# Altium PCB as_x31.PcbDoc (part 5 of 8)
Units mm, origin at the board's own origin, x right, y up, seen from the top; angles counter-clockwise.
Board outline 130 x 100 mm, 6 copper layers (Top Layer, Ground_1, int_1, int_2, Power, Bottom Layer), stack 1.49 mm thick; 424 components, 381 nets, 2569 pads, 1355 vias.
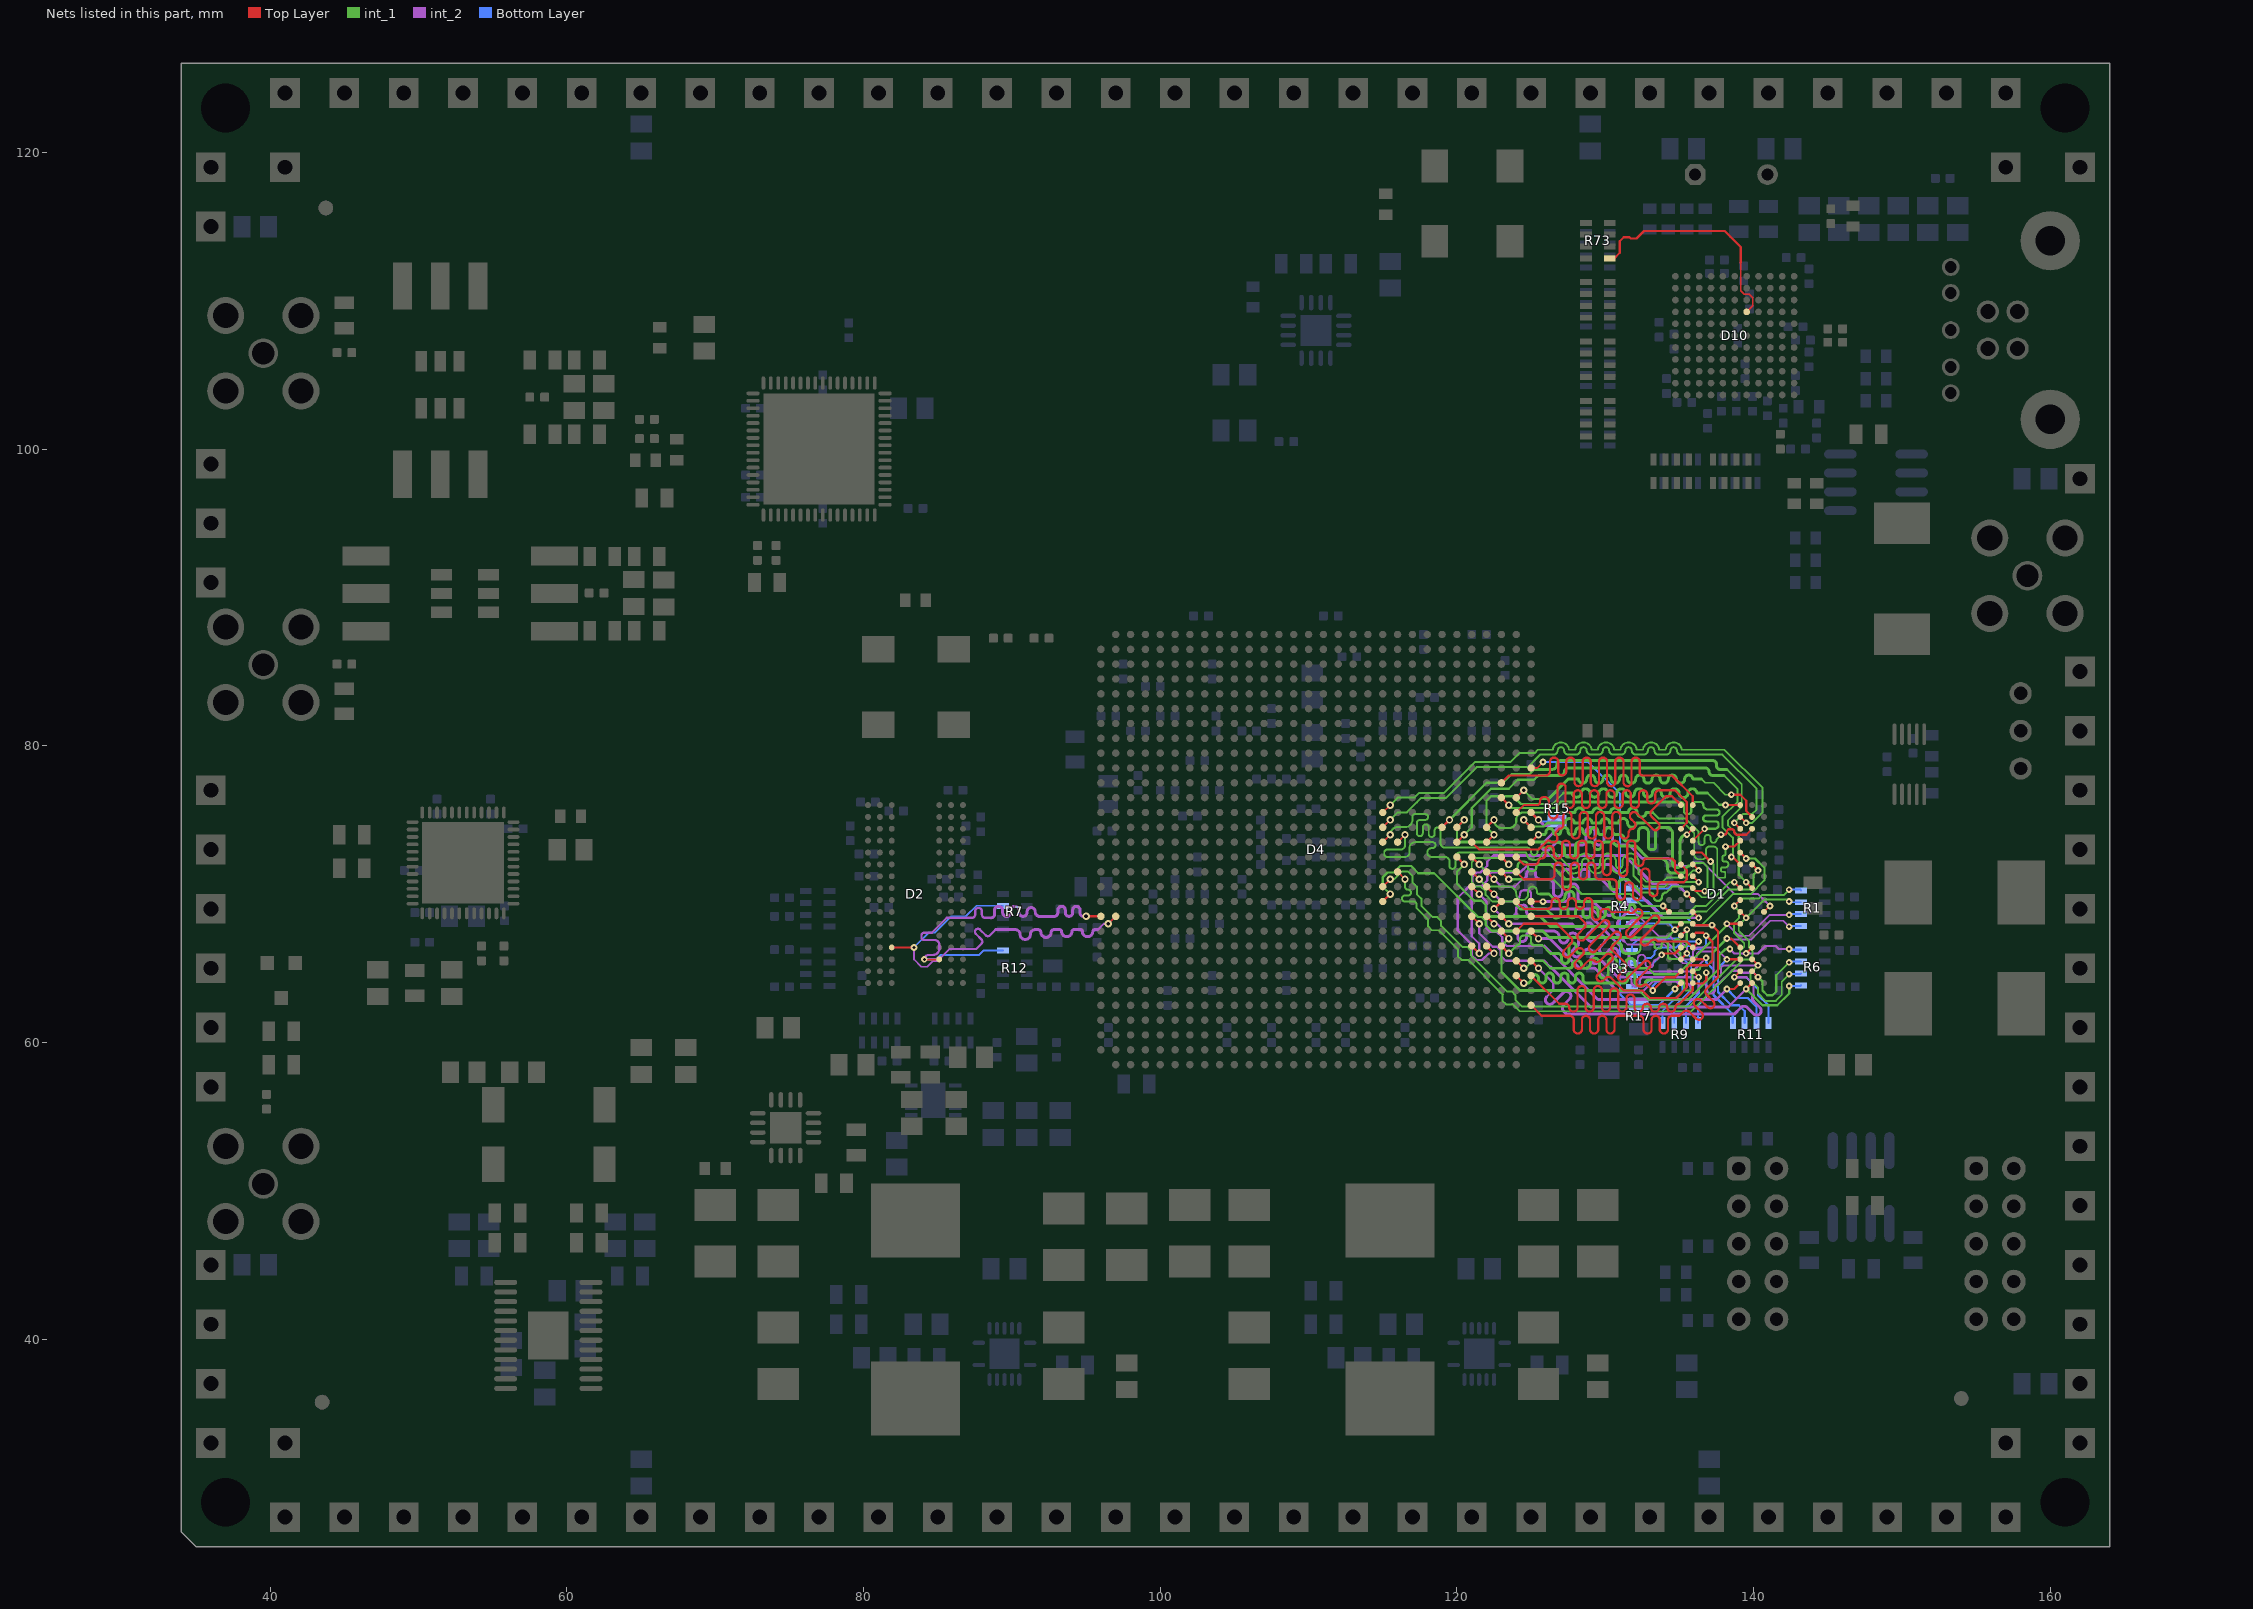
[diagram p9: the nets of this part, all layers, seen from the top]

## Via types
v1: diameter 0.5, hole 0.25, Top Layer to Bottom Layer, 538 vias
v2: diameter 0.45, hole 0.2, Top Layer to Bottom Layer, tented both sides, 353 vias
v3: diameter 0.65, hole 0.3, Top Layer to Bottom Layer, 223 vias
v4: diameter 0.5, hole 0.2, Top Layer to Bottom Layer, tented both sides, 96 vias
v5: diameter 0.4, hole 0.2, Top Layer to Bottom Layer, tented both sides, 83 vias
v6: diameter 0.75, hole 0.4, Top Layer to Bottom Layer, 46 vias
v7: diameter 0.6, hole 0.3, Top Layer to Bottom Layer, 12 vias
v8: diameter 0.5, hole 0.2, Top Layer to Bottom Layer, 4 vias

## Nets (pads, with @x,y where several pads share a name; then routed paths per layer and width w, separated by ;. In a path a pad name is that pad's centre, name@x,y a point inside that pad or via, vN(x,y) a via of type N, cw(c..) or ccw(c..) an arc to the next point about the centre after c; other vN are vias at no path point) (continued)
D31: D10.E4 R73.5 | length 15.6
  Top Layer w0.1: 139.129,112.546 139.129,110.682 139.366,110.445 139.694,110.445 139.929,110.21 139.929,109.646 D10.E4@139.529,109.246
  Top Layer w0.15: R73.5@130.3,112.85 130.6,112.85 130.975,113.225 130.975,114.011 131.239,114.275 131.638,114.275 131.713,114.2 132.111,114.2 132.611,114.7 138.05,114.7 139.129,113.621 139.129,112.546
DDR0_A0: D1.N3 D4.AJ12 R3.6 | length 29.9
  Top Layer w0.125: D4.AJ12@124,69.5 124.5,69 126.1,69
  Top Layer w0.15: 126.1,69 ccw(c126.1,69.275) 126.375,69.275 126.375,69.45 cw(c126.65,69.45) 126.65,69.725 cw(c126.65,69.45) 126.925,69.45 126.925,69.275 ccw(c127.2,69.275) 127.2,69 ccw(c127.2,69.275) 127.475,69.275 127.475,69.45 cw(c127.75,69.45) 127.75,69.725 cw(c127.75,69.45) 128.025,69.45 128.025,69.275 ccw(c128.3,69.275) 128.3,69 ccw(c128.3,69.275) 128.575,69.275 128.575,69.452 cw(c128.85,69.452) 128.85,69.727 cw(c128.85,69.452) 129.125,69.452 129.125,68.533 ccw(c129.4,68.533) 129.4,68.258 ccw(c129.4,68.533) 129.675,68.533 129.675,68.725 cw(c129.95,68.725) 129.95,69 130.2,69 130.4,68.8 131.55,68.8 ccw(c131.745,68.994) 131.939,68.8 132.034,68.896 ; 131.868,67.173 cw(c131.674,67.368) 131.479,67.174 cw(c131.674,67.368) 131.479,67.563 132.133,68.217 132.423,68.507 ; 131.868,67.174 133.176,68.482 cw(c133.371,68.287) 133.565,68.482 cw(c133.371,68.287) 133.566,68.093 ; 132.035,68.896 cw(c132.229,68.701) 132.423,68.896 cw(c132.229,68.701) 132.424,68.507 ; 132.867,66.616 cw(c132.672,66.811) 132.478,66.617 cw(c132.672,66.811) 132.478,67.005 132.911,67.439 133.565,68.093 ; 132.867,66.617 133.106,66.855 cw(c133.3,66.661) 133.494,66.856 133.55,66.8 135.5,66.8 D1.N3@135.9,66.4 v2(136.3,66.8)
  Bottom Layer w0.125: R3.6@131.8,65.35 132.45,65.35 132.8,65.7 133.1,65.7 133.312,65.912 133.312,66.112 133.6,66.4 134.8,66.4 135.2,66.8 v2(136.3,66.8)
DDR0_A1: D1.P7 D4.AK12 R11.6 | length 27.6
  Top Layer w0.125: D4.AK12@125,69.5 125.8,69.5 v2(125.8,69.487)
  Top Layer w0.15: v2(138.2,65.6) D1.P7@139.1,65.6
  int_2 w0.125: 131.79,66.91 134.006,66.91 135.329,65.588 135.671,65.588 135.913,65.829 135.913,66.113 136.188,66.388 137.413,66.388 v2(138.2,65.6)
  int_2 w0.2: v2(125.8,69.487) 127.25,69.487 ccw(c127.25,69.787) 127.55,69.787 127.55,70.387 cw(c127.85,70.387) 127.85,70.687 cw(c127.85,70.387) 128.15,70.387 128.15,69.787 ccw(c128.45,69.787) 128.45,69.487 129.213,69.487 130.061,68.639 ccw(c130.273,68.851) 130.486,68.639 130.856,69.01 cw(c131.069,68.798) 131.281,69.01 cw(c131.069,68.798) 131.281,68.585 130.91,68.214 ccw(c131.122,68.002) 130.91,67.79 ccw(c131.122,68.002) 131.334,67.79 131.732,68.188 cw(c131.944,67.976) 132.157,68.188 cw(c131.944,67.976) 132.157,67.764 131.758,67.366 ccw(c131.97,67.154) 131.758,66.942 131.79,66.91
  Bottom Layer w0.15: v2(138.2,65.6) 137.6,65 137.6,63.4 138.5,62.5 139,62.5 139.4,62.1 R11.6@139.4,61.3
DDR0_A2: D1.P3 D4.AH11 R11.5 | length 25.9
  Top Layer w0.15: D4.AH11@123,68.5 v1(123.5,68) ; D1.P3@135.9,65.6 136.6,65.6 136.7,65.7 v2(136.8,65.7)
  int_2 w0.15: 133.134,64.775 135.875,64.775 v2(136.8,65.7)
  int_2 w0.2: v1(123.5,68) 127.75,68 128,67.75 ccw(c128.212,67.962) 128.424,67.75 128.645,67.971 cw(c128.857,67.759) 129.069,67.971 cw(c128.857,67.759) 129.069,67.547 128.849,67.326 ccw(c129.061,67.114) 128.849,66.901 ccw(c129.061,67.114) 129.273,66.901 129.494,67.122 cw(c129.706,66.91) 129.918,67.122 cw(c129.706,66.91) 129.918,66.698 129.697,66.477 ccw(c129.909,66.265) 129.697,66.053 ccw(c129.909,66.265) 130.121,66.053 130.342,66.274 cw(c130.554,66.062) 130.767,66.274 cw(c130.554,66.062) 130.767,65.85 130.546,65.629 ccw(c130.758,65.417) 130.546,65.204 131.024,64.726 133.134,64.726
  Bottom Layer w0.15: v2@136.7,65.7 v2(136.8,65.7) 136.8,65.4 137.3,64.9 137.3,63.2 138.6,61.9 R11.5@138.6,61.3
DDR0_A3: D1.N2 D4.AH12 R3.7 | length 21.2
  Top Layer w0.125: v2(133.8,65.9) v2@133.9,66
  Top Layer w0.15: v1(122.5,69) 122.407,69 122.562,69 122.562,69.062 D4.AH12@123,69.5 ; v2@133.9,66 134.7,66 D1.N2@135.1,66.4
  int_2 w0.125: 131.6,65.7 131.6,65.3 ccw(c131.862,65.3) 131.862,65.038 131.9,65.038 ccw(c131.9,65.325) 132.188,65.325 132.188,65.648 cw(c132.45,65.648) 132.45,65.911 cw(c132.45,65.648) 132.713,65.648 132.713,65.299 ccw(c132.975,65.299) 132.975,65.036 ccw(c132.975,65.299) 133.238,65.299 133.238,65.338 cw(c133.5,65.338) 133.5,65.6 v2(133.8,65.9)
  int_2 w0.15: v1(122.5,69) 123,68.5
  int_2 w0.2: 123,68.5 123.75,68.5 ccw(c123.75,68.75) 124,68.75 124,68.996 cw(c124.25,68.996) 124.25,69.246 124.5,69.246 124.5,69.25 cw(c124.5,69.05) 124.7,69.05 124.7,68.8 ccw(c125,68.8) 125,68.5 129,68.5 131.6,65.9 131.6,65.7
  Bottom Layer w0.15: R3.7@131.8,64.55 132.45,64.55 v2(133.8,65.9)
DDR0_A4: D1.P8 D4.AG13 R6.6 | length 31.5
  Top Layer w0.15: D4.AG13@122,70.5 v1(122.5,70) ; D1.P8@139.9,65.6 v2(140.3,65.2)
  int_2 w0.125: 131.25,66.85 131.5,66.6 133.963,66.6 135.226,65.338 135.774,65.338 136.163,65.726 136.163,65.963 136.338,66.138 137.079,66.138 cw(c137.079,65.917) 137.3,65.917 137.3,64.6 ccw(c137.5,64.6) 137.5,64.4 137.6,64.4 ccw(c137.6,64.6) 137.8,64.6 137.8,64.958 cw(c138.029,64.958) 138.029,65.188 v2@140.3,65.188
  int_2 w0.15: v1(122.5,70) 123,69.5 123.75,69.5 ccw(c123.75,70) 124.25,70 cw(c124.5,70) 124.5,70.25 124.75,70.25 cw(c124.75,70) 125,70 125,69.4 ccw(c125.4,69.4) 125.4,69
  int_2 w0.2: 125.4,69 129.1,69 131.25,66.85
  int_1 w0.125: v2(140.3,65.2) 139.8,64.7 139.8,64.2 140.3,63.7 140.3,63.3 140.8,62.8 141.5,62.8 141.9,63.2 141.9,64.1 v2(142.4,64.6)
  Bottom Layer w0.125: v2(142.4,64.6) 143.15,64.6 R6.6@143.2,64.65
DDR0_A5: D1.P2 D4.AG14 R9.6 | length 27
  Top Layer w0.15: D4.AG14@122,71.5 v1(122.5,71) ; D1.P2@135.1,65.6 v2(135.5,66)
  int_2 w0.125: 132.15,68.6 133.591,67.159 134.341,67.159 134.7,66.8 135.1,66.8 135.5,66.4 v2(135.5,66)
  int_2 w0.15: v1(122.5,71) 123,70.5 123.9,70.5 124.4,71
  int_2 w0.2: 124.4,71 ccw(c124.4,71.3) 124.7,71.3 124.7,71.351 cw(c125,71.351) 125,71.651 cw(c125,71.351) 125.3,71.351 125.3,71.3 ccw(c125.6,71.3) 125.6,71 126.2,71 cw(c126.2,70.7) 126.5,70.7 126.5,70.112 ccw(c126.8,70.112) 126.8,69.812 ccw(c126.8,70.112) 127.1,70.112 127.1,71.375 cw(c127.4,71.375) 127.4,71.675 cw(c127.4,71.375) 127.7,71.375 127.7,71.3 ccw(c128,71.3) 128,71 ccw(c128,71.3) 128.3,71.3 128.3,71.375 cw(c128.6,71.375) 128.6,71.675 cw(c128.6,71.375) 128.9,71.375 128.9,71.1 ccw(c129,71.1) 129,71 129.75,71 132.15,68.6
  Bottom Layer w0.125: R9.6@134.65,61.3 134.65,62.4 135.8,63.55 135.8,65.7 v2(135.5,66)
DDR0_A6: D1.R8 D4.AK10 R6.7 | length 25.5
  Top Layer w0.15: D4.AK10@125,67.5 v1(125.5,67) ; D1.R8@139.9,64.8 v2(140.3,64.4)
  int_2 w0.15: 132.5,63.4 133.2,64.1 134.801,64.1 134.926,63.975 135.474,63.975 cw(c135.474,63.7) 135.749,63.7 135.749,63.574 ccw(c136.024,63.574) 136.024,63.299 ccw(c136.024,63.574) 136.299,63.574 136.299,63.7 cw(c136.574,63.7) 136.574,63.975 cw(c136.574,63.7) 136.849,63.7 136.849,63.574 ccw(c137.124,63.574) 137.124,63.299 ccw(c137.124,63.574) 137.399,63.574 137.399,63.7 cw(c137.674,63.7) 137.674,63.975 138.524,64.825 139,64.825 139.136,64.689 140.011,64.689 v2(140.3,64.4)
  int_2 w0.2: v1(125.5,67) 126.25,67 128.25,65 129.3,65 130.9,63.4 132.5,63.4
  int_1 w0.15: v2(140.3,64.4) 140.6,64.1 140.6,63.499 140.924,63.175 141.276,63.175 141.525,63.424 141.525,64.525 v2(142.4,65.4)
  Bottom Layer w0.15: v2(142.4,65.4) 142.45,65.45 R6.7@143.2,65.45
DDR0_A7: D1.R2 D4.AK11 R9.5 | length 30.9
  Top Layer w0.15: D4.AK11@125,68.5 128.2,68.5 128.589,68.111 cw(c128.395,67.917) 128.589,67.722 128.197,67.33 ccw(c128.392,67.136) 128.197,66.942 ccw(c128.392,67.136) 128.586,66.941 129.808,68.164 cw(c130.003,67.969) 130.197,68.164 cw(c130.003,67.969) 130.197,67.775 ; 130.197,67.775 129.561,67.139 128.975,66.553 ccw(c129.17,66.358) 128.975,66.164 ccw(c129.17,66.358) 129.364,66.164 129.95,66.75 130.586,67.386 cw(c130.781,67.191) 130.975,67.386 cw(c130.781,67.191) 130.975,66.997 ; 130.975,66.997 130.45,66.472 ccw(c130.561,66.361) 130.45,66.25 131.344,65.356 cw(c131.15,65.161) 131.345,64.967 130.953,64.575 ccw(c131.147,64.381) 130.953,64.186 ccw(c131.147,64.381) 131.341,64.186 ; 131.342,64.186 132.582,65.426 cw(c132.776,65.232) 132.971,65.426 cw(c132.776,65.232) 132.971,65.037 132.317,64.383 132.177,64.243 ccw(c132.371,64.049) 132.177,63.855 ccw(c132.371,64.049) 132.566,63.855 cw(c132.706,63.715) 132.845,63.855 v2(133.2,63.5) 134.1,64.4 134.7,64.4 D1.R2@135.1,64.8
  Bottom Layer w0.15: v2(133.2,63.5) 133.2,63.8 133.5,64.1 134.9,64.1 135.2,63.8 135.2,63.45 133.85,62.1 R9.5@133.85,61.3
DDR0_A8: D1.T8 D4.AF11 R6.5 | length 27.7
  Top Layer w0.15: D4.AF11@121,68.5 v1(121.5,68) ; v2(139.5,63.6) D1.T8@139.9,64
  int_2 w0.15: v1(121.5,68) 121.5,67.364 122.414,66.45 122.686,66.45 122.95,66.186 122.95,65.85 123.3,65.5 125.9,65.5 126.3,65.1 ; 138.3,62.4 v2(139.5,63.6)
  int_2 w0.2: 126.3,65.1 129,62.4 138.3,62.4
  int_1 w0.15: v2(139.5,63.6) 140.6,62.5 141.6,62.5 142.4,63.3 v2(142.4,63.8)
  Bottom Layer w0.15: v2(142.4,63.8) 143.15,63.8 R6.5@143.2,63.85
DDR0_A9: D1.R3 D4.AG11 R9.7 | length 24.8
  Top Layer w0.15: D4.AG11@122,68.5 v1(122.5,68) ; D1.R3@135.9,64.8 v2(136.3,64.4)
  int_2 w0.15: v1(122.5,68) 122.7,68 123.2,67.5 ; 131.225,64.4 131.5,64.4 cw(c131.5,64.125) 131.775,64.125 131.775,64.049 ccw(c132.05,64.049) 132.05,63.774 ccw(c132.05,64.049) 132.325,64.049 132.325,64.125 cw(c132.6,64.125) 132.6,64.4 v2(136.3,64.4)
  int_2 w0.2: 123.2,67.5 123.8,67.5 cw(c123.8,67.2) 124.1,67.2 124.1,67.1 ccw(c124.4,67.1) 124.4,66.8 ccw(c124.4,67.1) 124.7,67.1 124.7,67.2 cw(c125,67.2) 125,67.5 126.5,67.5 cw(c126.5,67.1) 126.9,67.1 126.9,67 ccw(c127.2,67) 127.2,66.7 ccw(c127.2,67) 127.5,67 127.5,67.073 cw(c127.8,67.073) 127.8,67.373 cw(c127.8,66.969) 128.204,66.969 128.204,66.621 127.858,66.275 ccw(c128.071,66.063) 127.858,65.851 ccw(c128.071,66.063) 128.283,65.851 128.629,66.197 cw(c128.841,65.985) 129.053,66.197 129.117,66.133 cw(c128.969,65.985) 129.117,65.837 ccw(c129.329,65.625) 129.117,65.413 ccw(c129.329,65.625) 129.542,65.413 cw(c129.689,65.265) 129.837,65.413 130.85,64.4 131.225,64.4
  Bottom Layer w0.15: R9.7@135.45,61.3 135.45,62.45 136.3,63.3 v2(136.3,64.4)
DDR0_A10: D1.L7 D4.AJ8 R1.6 | length 27.7
  Top Layer w0.15: D4.AJ8@124,65.5 v1(124.5,65) ; v2(138.2,68) D1.L7@139.1,68
  int_2 w0.125: v2(138.2,68) 139.012,67.189 139.689,67.189 141.1,68.6 v2(142.4,68.6)
  int_1 w0.15: v1(124.5,65) 124.6,65 125.1,65.5 125.8,65.5 126.3,65 ; 132.9,65 133.3,64.6 134.899,64.6 136.499,66.2 138.2,67.9 v2(138.2,68)
  int_1 w0.2: 126.3,65 127.579,65 ccw(c127.579,65.221) 127.8,65.221 cw(c128.1,65.221) 128.1,65.521 cw(c128.1,65.221) 128.4,65.221 ccw(c128.621,65.221) 128.621,65 128.7,65 ccw(c128.7,65.3) 129,65.3 129,65.375 cw(c129.3,65.375) 129.3,65.675 cw(c129.3,65.375) 129.6,65.375 129.6,64.625 ccw(c129.9,64.625) 129.9,64.325 ccw(c129.9,64.625) 130.2,64.625 130.2,65.375 cw(c130.5,65.375) 130.5,65.675 cw(c130.5,65.375) 130.8,65.375 130.8,65.3 ccw(c131.1,65.3) 131.1,65 ccw(c131.1,65.3) 131.4,65.3 131.4,65.376 cw(c131.7,65.376) 131.7,65.676 cw(c131.7,65.376) 132,65.376 132,65.3 ccw(c132.3,65.3) 132.3,65 132.9,65
  Bottom Layer w0.15: v2(142.4,68.6) 142.45,68.65 R1.6@143.2,68.65
DDR0_A11: D1.R7 D4.AK8 R11.8 | length 29.7
  Top Layer w0.15: D4.AK8@125,65.5 v1(125.5,65) ; v2(138.7,64.4) D1.R7@139.1,64.8
  int_2 w0.15: v1(125.5,65) 126.5,64 126.5,63.527 126.051,63.078 ; v2(138.7,64.4) 139.5,64.4 140,63.9 140,63.2
  int_2 w0.2: 126.051,63.078 ccw(c126.263,62.866) 126.051,62.654 ccw(c126.263,62.866) 126.475,62.654 126.561,62.739 127.169,63.347 cw(c127.381,63.135) 127.593,63.347 cw(c127.381,63.135) 127.593,62.923 127.197,62.527 ccw(c127.409,62.315) 127.197,62.103 127.4,61.9 138.7,61.9 139.152,62.352 cw(c139.364,62.139) 139.576,62.352 140,61.927 ccw(c140.212,62.139) 140.424,61.927 ccw(c140.212,62.139) 140.424,62.352 140,62.776 cw(c140.212,62.988) 140,63.2
  Bottom Layer w0.15: v2(138.7,64.4) 139.5,64.4 140.3,63.6 140.3,63.2 141,62.5 R11.8@141,61.3
DDR0_A12: D1.N7 D4.AJ7 R1.5 | length 29.1
  Top Layer w0.15: D4.AJ7@124,64.5 v1(124.5,64) ; v2(138.2,67) 138.5,67 D1.N7@139.1,66.4
  int_2 w0.125: v2(138.2,67) 138.261,66.94 139.858,66.94 141.118,68.2 142,68.2 v2(142.4,67.8)
  int_1 w0.15: 133.2,64.2 135.1,64.2 cw(c135.1,64) 135.3,64 135.3,63.7 ccw(c135.5,63.7) 135.5,63.5 135.7,63.5 ccw(c135.7,63.676) 135.876,63.676 135.876,64.776 cw(c136,64.776) 136,64.9 136.283,64.9 ccw(c136.283,65) 136.383,65 cw(c136.559,65) 136.559,65.176 136.876,65.176 137.224,65.524 137.224,66.024 v2(138.2,67)
  int_1 w0.2: v1(124.5,64) 124.75,64 ccw(c124.75,64.25) 125,64.25 125,64.32 cw(c125.25,64.32) 125.25,64.57 cw(c125.25,64.32) 125.5,64.32 125.5,64.25 ccw(c125.75,64.25) 125.75,64 ccw(c125.75,64.25) 126,64.25 126,64.427 cw(c126.25,64.427) 126.25,64.677 cw(c126.25,64.427) 126.5,64.427 126.5,64.25 ccw(c126.75,64.25) 126.75,64 ccw(c126.75,64.25) 127,64.25 127,64.425 cw(c127.25,64.425) 127.25,64.675 cw(c127.25,64.425) 127.5,64.425 127.5,64.25 ccw(c127.75,64.25) 127.75,64 ccw(c127.75,64.25) 128,64.25 128,64.425 cw(c128.25,64.425) 128.25,64.675 cw(c128.25,64.425) 128.5,64.425 128.5,64.25 ccw(c128.75,64.25) 128.75,64 131.25,64 ccw(c131.25,64.25) 131.5,64.25 131.5,64.5 cw(c131.67,64.5) 131.67,64.67 131.83,64.67 cw(c131.83,64.5) 132,64.5 132,64.075 ccw(c132.25,64.075) 132.25,63.825 132.525,63.825 ccw(c132.525,64) 132.7,64 cw(c132.9,64) 132.9,64.2 133.2,64.2
  Bottom Layer w0.15: v2(142.4,67.8) 142.45,67.85 R1.5@143.2,67.85
DDR0_A13: D1.T3 D4.AK7 R9.8 | length 30
  Top Layer w0.15: D4.AK7@125,64.5 126.9,62.6 127.325,62.6 cw(c127.325,62.35) 127.575,62.35 ccw(c127.85,62.35) 127.85,62.075 ccw(c127.85,62.35) 128.125,62.35 128.125,63.525 cw(c128.4,63.525) 128.4,63.8 cw(c128.4,63.525) 128.675,63.525 128.675,62.35 ccw(c128.95,62.35) 128.95,62.075 ccw(c128.95,62.35) 129.225,62.35 129.225,63.525 cw(c129.5,63.525) 129.5,63.8 cw(c129.5,63.525) 129.775,63.525 129.775,62.35 ccw(c130.05,62.35) 130.05,62.075 ccw(c130.05,62.35) 130.325,62.35 130.325,63.372 cw(c130.6,63.372) 130.6,63.647 cw(c130.6,63.372) 130.875,63.372 130.875,62.35 ccw(c131.15,62.35) 131.15,62.075 ccw(c131.15,62.35) 131.425,62.35 131.425,62.951 cw(c131.7,62.951) 131.7,63.226 cw(c131.7,62.951) 131.975,62.951 131.975,62.349 ccw(c132.25,62.349) 132.25,62.074 ccw(c132.25,62.349) 132.525,62.349 cw(c132.776,62.349) 132.776,62.6 132.824,62.6 cw(c132.824,62.349) 133.075,62.349 ccw(c133.35,62.349) 133.35,62.074 ccw(c133.35,62.349) 133.625,62.349 cw(c133.876,62.349) 133.876,62.6 133.924,62.6 cw(c133.924,62.349) 134.175,62.349 ccw(c134.45,62.349) 134.45,62.074 ccw(c134.45,62.349) 134.725,62.349 cw(c134.976,62.349) 134.976,62.6 135,62.6 135.9,63.5 D1.T3@135.9,64 135.925,63.975 136.575,63.975 136.8,64.2 v2@136.8,64.7
  Bottom Layer w0.15: R9.8@136.25,61.3 136.25,62.5 136.807,63.057 v2(136.807,64.707)
DDR0_A14: D1.T7 D4.AF13 R11.7 | length 26.5
  Top Layer w0.15: D4.AF13@121,70.5 v1(121.5,70) ; v2(138.2,63.6) 138.7,63.6 D1.T7@139.1,64
  int_2 w0.15: v1(121.5,70) 122,69.5 122,67.7 122.25,67.45 122.686,67.45 123.05,67.086 123.05,66.814 123.364,66.5 125.9,66.5 ; 137.5,62.9 v2(138.2,63.6)
  int_2 w0.2: 125.9,66.5 129.5,62.9 137.5,62.9
  Bottom Layer w0.15: v2(138.2,63.6) 138.8,63 139.6,63 140.2,62.4 R11.7@140.2,61.3
DDR0_BA0: D1.M2 D4.AH9 R3.5 | length 27.8
  Top Layer w0.15: D4.AH9@123,66.5 v1(123.5,66) ; D1.M2@135.1,67.2 v2(135.5,67.6)
  int_1 w0.15: v1(123.5,66) 124.05,66.55 ccw(c124.05,66.75) 124.25,66.75 124.25,66.95 cw(c124.5,66.95) 124.5,67.2 124.8,67.2 cw(c124.8,67) 125,67 125,66.75 ccw(c125.2,66.75) 125.2,66.55 125.75,66.55 126.3,66 ; 132,66 ccw(c132,66.376) 132.376,66.376 132.376,66.576 cw(c132.6,66.576) 132.6,66.8 133.1,66.8 cw(c133.1,66.576) 133.324,66.576 133.324,66.5 ccw(c133.5,66.5) 133.5,66.324 133.6,66.324 ccw(c133.6,66.524) 133.8,66.524 133.8,66.6 cw(c134,66.6) 134,66.8 cw(c134,66.576) 134.224,66.576 134.224,65.8 ccw(c134.4,65.8) 134.4,65.624 134.9,65.624 ccw(c134.9,65.8) 135.076,65.8 135.076,65.924 ccw(c134.9,65.924) 134.9,66.1 cw(c134.9,66.4) 134.6,66.4 134.6,66.7 cw(c134.85,66.7) 134.85,66.95 cw(c134.85,66.7) 135.1,66.7 135.1,66.6 ccw(c135.276,66.6) 135.276,66.424 135.3,66.424 ccw(c135.3,66.624) 135.5,66.624 v2(135.5,67.6)
  int_1 w0.2: 126.3,66 126.8,66 cw(c126.8,65.75) 127.05,65.75 127.05,65.575 ccw(c127.3,65.575) 127.3,65.325 ccw(c127.3,65.575) 127.55,65.575 127.55,66.45 cw(c127.8,66.45) 127.8,66.7 cw(c127.8,66.45) 128.05,66.45 128.05,66.25 ccw(c128.3,66.25) 128.3,66 130.2,66 ccw(c130.2,66.3) 130.5,66.3 130.5,66.45 cw(c130.8,66.45) 130.8,66.75 cw(c130.8,66.45) 131.1,66.45 131.1,66.3 ccw(c131.4,66.3) 131.4,66 132,66
  Bottom Layer w0.125: 131.8,66.55 132.25,67 134.9,67 135,67.1
  Bottom Layer w0.15: R3.5@131.8,66.15 131.8,66.55 ; 135,67.1 v2(135.5,67.6)
DDR0_BA1: D1.N8 D4.AH10 R6.8 | length 27.1
  Top Layer w0.15: D4.AH10@123,67.5 v1(123.5,67) ; v2(139.5,66) D1.N8@139.9,66.4
  int_2 w0.15: v2(138.4,66.3) 138.7,66 v2(139.5,66) 140.3,66 140.8,66.5 141.5,66.5 141.7,66.3 v2(142.4,66.3)
  int_1 w0.15: v1(123.5,67) 123,66.5 123,64.75 124.25,63.5 ; 132.3,63.5 132.9,62.9 135.6,62.9 137.7,65 137.7,65.9 138.1,66.3 v2(138.4,66.3)
  int_1 w0.2: 124.25,63.5 132.3,63.5
  Bottom Layer w0.15: v2(142.4,66.3) 142.45,66.25 R6.8@143.2,66.25
DDR0_BA2: D1.M3 D4.AJ10 R3.8 | length 35.7
  Top Layer w0.125: D4.AJ10@124,67.5 124.5,68
  Top Layer w0.15: 124.5,68 126.75,68 127.694,67.056 cw(c127.5,66.861) 127.695,66.667 ; 127.235,66.207 ccw(c127.429,66.013) 127.235,65.818 ccw(c127.429,66.013) 127.623,65.818 128.083,66.278 cw(c128.278,66.083) 128.472,66.278 cw(c128.278,66.083) 128.472,65.889 128.013,65.429 ccw(c128.207,65.235) 128.013,65.04 ccw(c128.207,65.235) 128.401,65.04 ; 127.235,66.207 127.694,66.667 ; 128.401,65.04 128.861,65.5 cw(c129.056,65.306) 129.25,65.5 ccw(c129.444,65.694) 129.639,65.5 130.031,65.892 cw(c130.225,65.697) 130.42,65.892 cw(c130.225,65.697) 130.42,65.503 129.833,64.917 129.496,64.579 ccw(c129.69,64.385) 129.496,64.19 ccw(c129.69,64.385) 129.885,64.19 ; 129.885,64.19 130.028,64.333 cw(c130.222,64.139) 130.417,64.333 131.25,63.5 132.5,63.5 133,63 134.8,63 135.5,63.7 135.5,65 135.7,65.2 136.9,65.2 137.224,65.524 137.224,66.776 v2(136.8,67.2) 136.6,67.4 136.1,67.4 D1.M3@135.9,67.2
  Bottom Layer w0.125: R3.8@131.8,63.75 132.55,63.75 133.2,64.4 135.3,64.4 135.5,64.6 135.5,65.4 135,65.9 135,66.2 135.3,66.5 135.7,66.5 135.9,66.3 136.5,66.3 136.8,66.6 v2(136.8,67.2)
DDR0_CAS: D1.K3 D4.AF9 R4.6 | length 28.4
  Top Layer w0.15: D4.AF9@121,66.5 v1(121.5,66) ; D1.K3@135.9,68.8 v2(136.3,68.4)
  int_2 w0.15: v1(121.5,66) 121.5,66.65 121,67.15 121,70.3 121.25,70.55 121.686,70.55 122.05,70.914 122.05,71.186 122.314,71.45 124.25,71.45 124.8,72 ; 133.9,68.4 v2(136.3,68.4)
  int_2 w0.2: 124.8,72 130.3,72 133.9,68.4
  Bottom Layer w0.15: R4.6@131.8,69.575 132.825,69.575 133.7,68.7 136,68.7 v2(136.3,68.4)
DDR0_CK_N: D1.K7 D4.AA14 R1.7 | length 40.1
  Top Layer w0.125: D4.AA14@116,71.5 v1(116.5,71) ; D1.K7@139.1,68.8 v2(139.5,68.4)
  int_1 w0.13: v1(116.5,71) 116.5,70.5 ccw(c116.7,70.5) 116.7,70.3 cw(c116.7,70.1) 116.9,70.1 cw(c116.7,70.1) 116.7,69.9 116.5,69.9 ccw(c116.5,69.7) 116.3,69.7 ccw(c116.5,69.7) 116.5,69.5 117.1,69.5 cw(c117.1,69.33) 117.27,69.33 117.27,69.063 118.06,68.273 118.06,67.818 118.318,67.56 118.773,67.56 120.06,66.273 120.06,65.818 120.318,65.56 120.773,65.56 123.106,63.228 123.06,63.182 123.06,62.818 123.318,62.56 123.682,62.56 123.728,62.606 124.233,62.1 135.8,62.1 139.286,65.586 139.672,65.586 139.914,65.829 139.914,66.172 139.7,66.386 139.7,66.815 139,67.515 139,67.9 v2(139.5,68.4) 140.72,69.62 142.28,69.62 v2(142.4,69.5)
  Bottom Layer w0.125: v2(142.4,69.5) 142.45,69.45 R1.7@143.2,69.45
DDR0_CK_P: D1.J7 D4.Y13 R1.8 | length 40.7
  Top Layer w0.125: D4.Y13@115,70.5 v1(115.5,71) ; v2(138.7,69.2) D1.J7@139.1,69.6
  int_1 w0.13: v1(115.5,71) 115.772,71 116.287,71.515 116.713,71.515 117,71.228 117,70.8 117.3,70.5 117.3,70 117.6,69.7 117.6,69.2 118.36,68.44 118.682,68.44 118.94,68.182 118.94,67.86 120.36,66.44 120.682,66.44 120.94,66.182 120.94,65.86 123.36,63.44 123.682,63.44 123.94,63.182 123.94,62.86 124.37,62.43 135.663,62.43 139.086,65.853 139.086,66.172 139.37,66.456 139.37,66.678 138.67,67.378 138.67,68.037 139.01,68.377 139.01,68.89 v2(138.7,69.2) 139.2,69.7 140.333,69.7 140.583,69.95 142.05,69.95 v2(142.4,70.3)